# Altium PCB Tigershark 3D R2.2 - RRDC.PcbDoc (part 4 of 4) (continued)
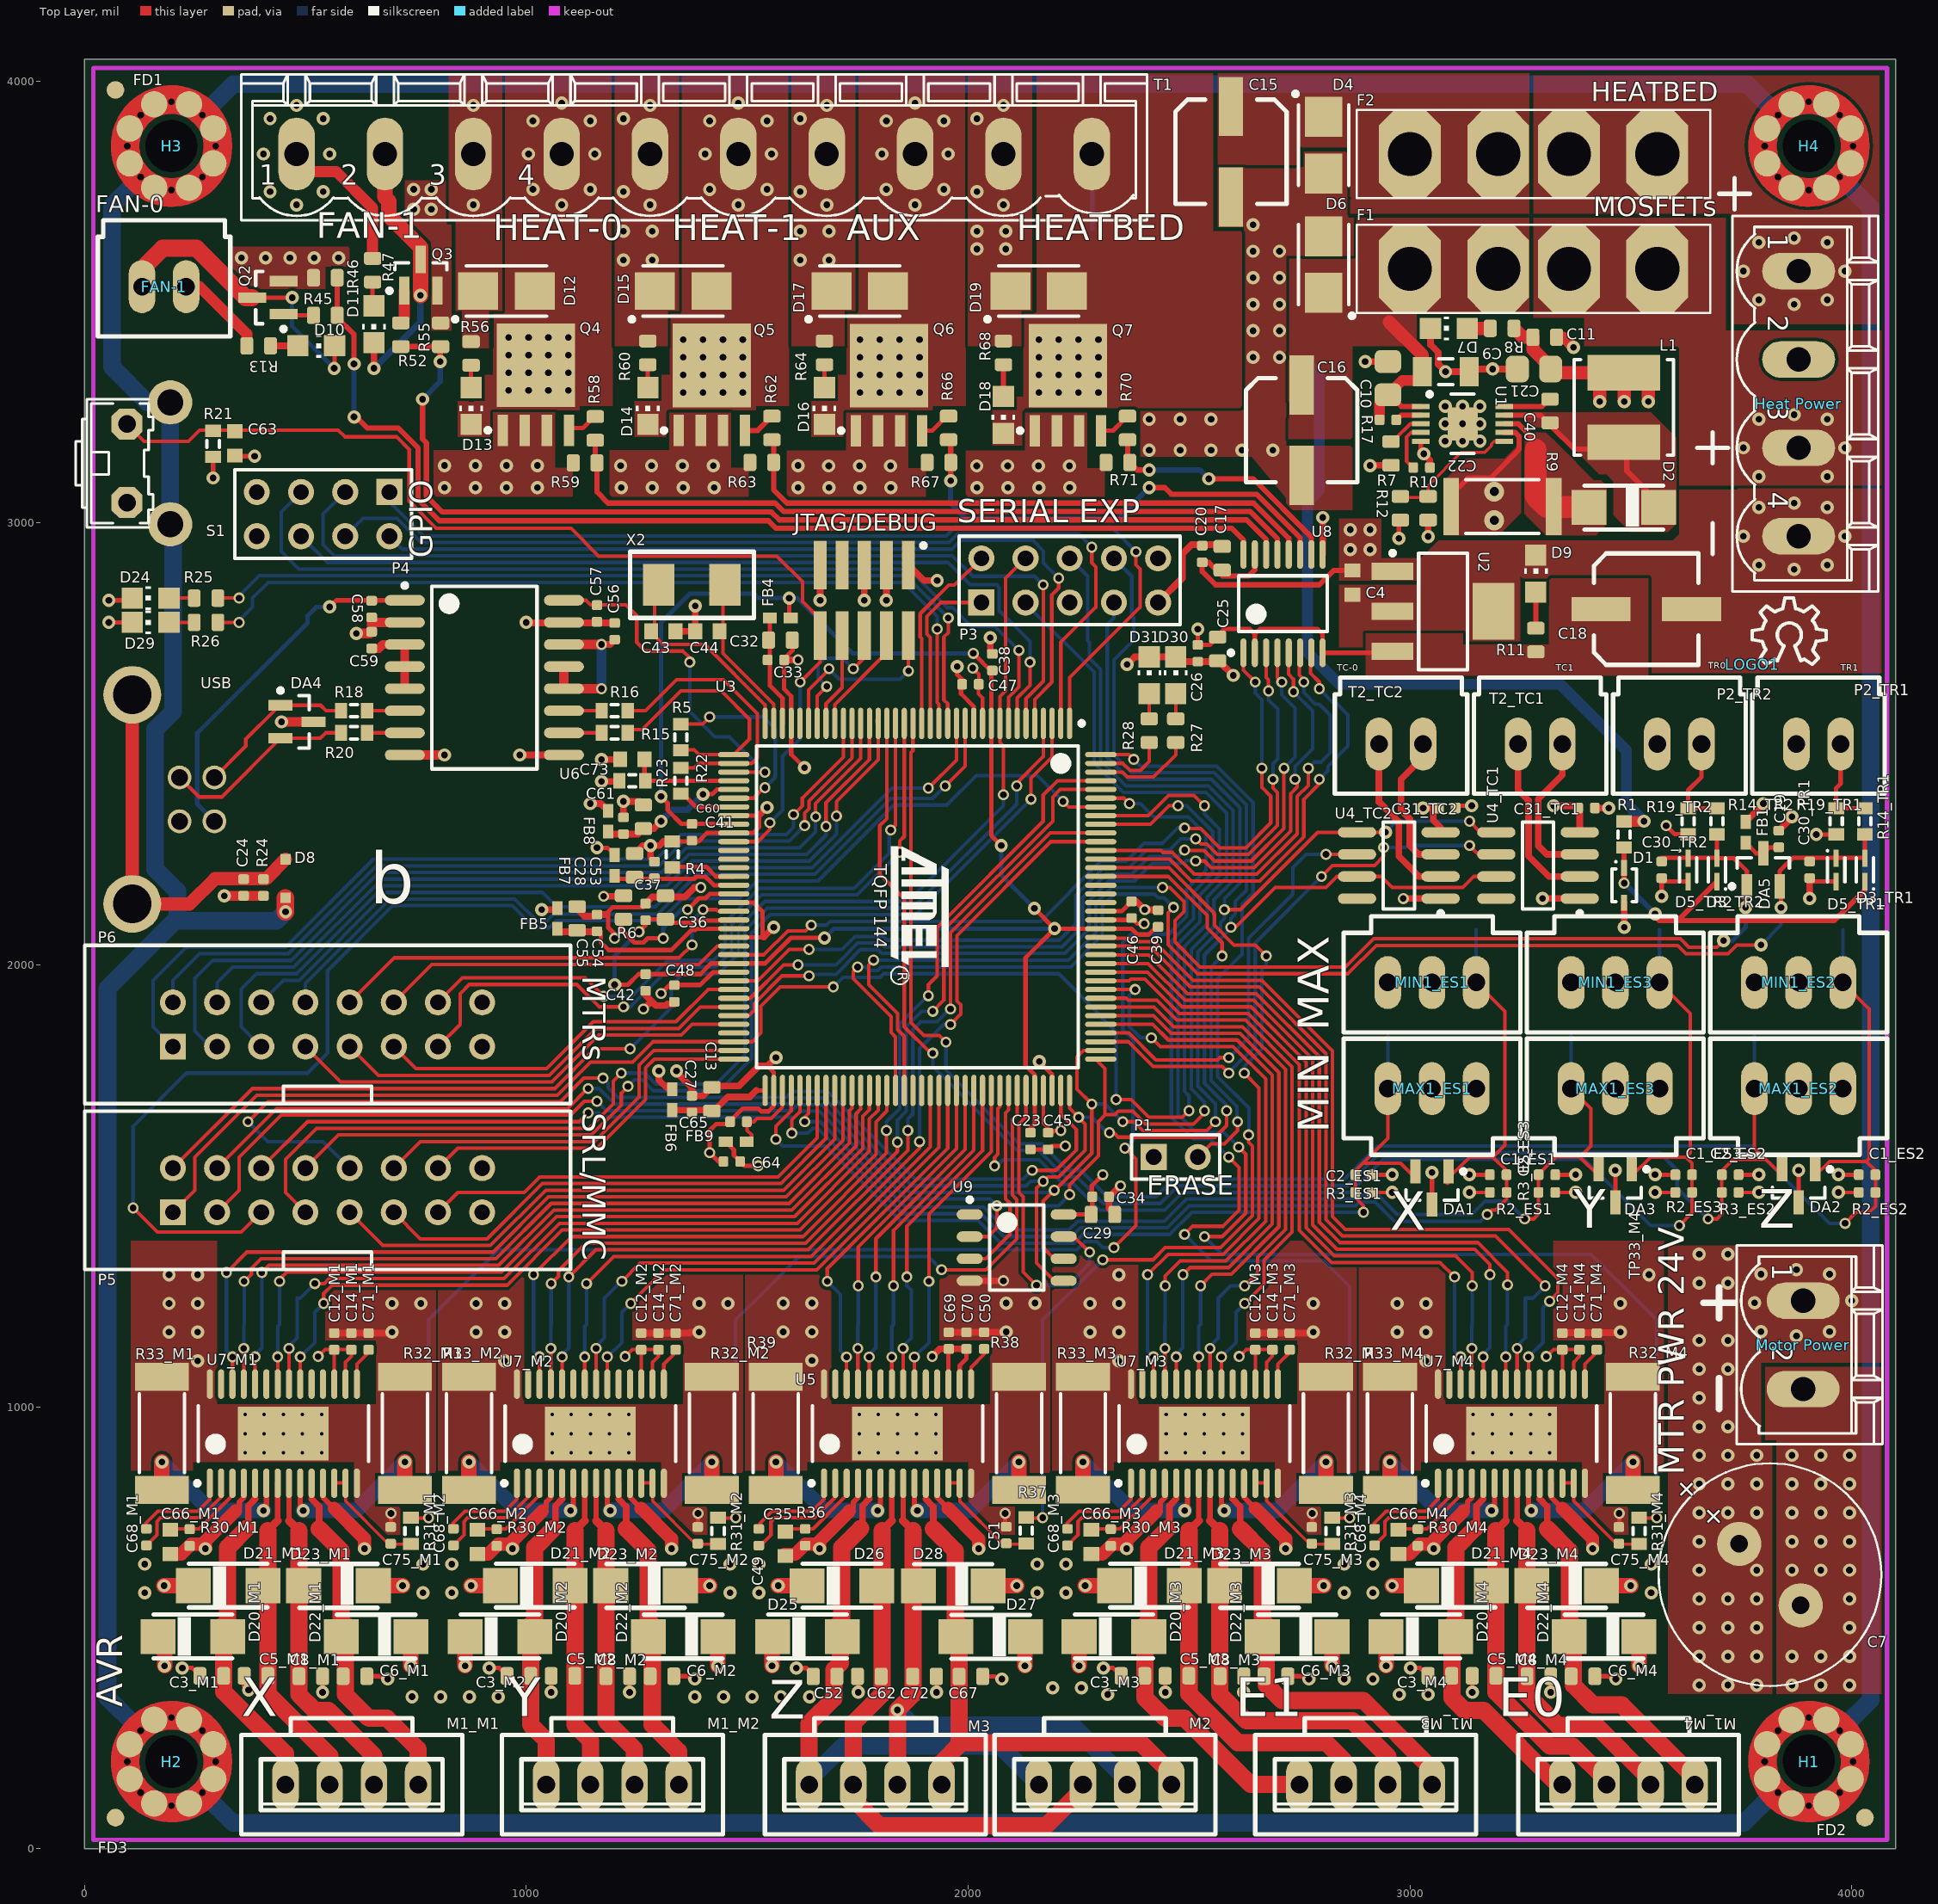
[diagram p0: Top Layer view]
## Nets (pads, with @x,y where several pads share a name; then routed paths per layer and width w, separated by ;. In a path a pad name is that pad's centre, name@x,y a point inside that pad or via, vN(x,y) a via of type N, cw(c..) or ccw(c..) an arc to the next point about the centre after c; other vN are vias at no path point) (continued)
TC_CS1: TP4.1 U3.111 U4_TC1.6 | length 1295.4
  Top Layer w8: U3.111@2300.35,1825.98 2362.8,1825.98 2418.79,1770 2575,1770 v2(2590,1755) ; v2(2800,2200) 2825,2225 2920,2225 2940.79,2245.79 v2(2940.79,2265.5) ; v2(3135,2270) 3155,2250 U4_TC1.6@3195.51,2250
  Bottom Layer w8: v2(2590,1755) 2590,1756.21 2650,1816.21 2650,2050 v2(2800,2200) ; v2(2940.79,2265.5) 2990.5,2265.5 TP4.1@2995,2270 v2(3135,2270)
TC_CS2: TP5.1 U3.112 U4_TC2.6 | length 965.2
  Top Layer w8: U3.112@2300.35,1845.67 2364.33,1845.67 2425,1785 2565,1785 2570,1790 v2(2590,1790) ; v2@2811.77,2255 2816.77,2250 U4_TC2.6@2880.51,2250
  Bottom Layer w8: v2(2590,1790) 2635,1835 2635,2060 2735,2160 2735,2220 TP5.1@2765,2250 v2(2810,2250)
TCK/SWDCLK: JTAG/DEBUG.4 U3.28 | length 247.1
  Top Layer w8: U3.28@1697.99,2546.46 1697.99,2589.12 1815,2706.13 JTAG/DEBUG.4@1815,2745.08
TDI: JTAG/DEBUG.8 U3.29 | length 213.8
  Top Layer w8: U3.29@1678.31,2546.46 1678.31,2590.65 1715,2627.34 JTAG/DEBUG.8@1715,2745.08
TDO/SWO: JTAG/DEBUG.6 U3.30 | length 330.4
  Top Layer w8: U3.30@1658.62,2546.46 1658.62,2608.62 v2(1680,2630) ; v2(1740,2670) 1765,2695 JTAG/DEBUG.6@1765,2745.08
  Bottom Layer w8: v2(1680,2630) 1660,2650 1660,2678.23 1675.27,2693.5 1716.5,2693.5 v2(1740,2670)
THERM_AN1: C30_TR1.2 D3_TR1.1 D5_TR1.2 DA5.2 R14_TR1.1 TP52_TR1.1 U3.88 | length 3100.2
  Top Layer w8: v2(1750,1995) 1740,1985 1740,1968.79 1825.47,1883.31 1825.47,1847.1 1835.79,1836.79 U3.88@1835.79,1715.75 ; v2(2465,2130) 2453,2118 2453,2045.79 2518.79,1980 2860,1980 2924,2044 3606,2044 3625,2025 3720,2025 3740,2045 v1(3795,2045)
  Top Layer w10: v1(3840,2130) 3840,2175 DA5.2@3837.4,2177.6 3837.4,2212.4 3867.56,2242.56 D3_TR1.1@4029.02,2242.56 ; D3_TR1.1@4030,2241.57 R14_TR1.1@4030,2295.47
  Bottom Layer w8: v2(1750,1995) 1768.55,1995 1776.16,1987.39 1795.62,1987.39 1803.23,1995 2232.43,1995 2304.05,2066.63 2304.05,2132.84 2331.21,2160 2421.77,2160 2430.27,2151.5 2443.5,2151.5 v2(2465,2130) ; v1(3795,2045) 3840,2090 v1@3840,2120
THERM_AN2: C30_TR2.2 D3_TR2.1 D5_TR2.2 DA5.1 R14_TR2.1 TP52_TR2.1 U3.89 | length 3000.1
  Top Layer w8: v2(1785.89,2010.89) 1775,2000 1775,1955 1840.47,1889.53 1840.47,1853.31 1855.47,1838.31 U3.89@1855.47,1715.75 ; v2(2440,2175) 2456.91,2175 2488.5,2143.41 2488.5,2120.27 2468,2099.77 2468,2052 2525,1995 2853.79,1995 2917.79,2059 3612.21,2059 3631.21,2040 3695,2040 v1(3710,2055)
  Top Layer w10: C30_TR2.2@3570,2242.56 D3_TR2.1@3694.02,2242.56 ; R14_TR2.1@3695,2295.47 D3_TR2.1@3695,2241.57 3733.43,2241.57 3762.6,2212.4 DA5.1@3762.6,2177.6 3760,2175 v1(3760,2130)
  Bottom Layer w8: v2(1785.89,2010.89) 2227.1,2010.89 2289.05,2072.84 2289.05,2139.05 2325,2175 v2(2440,2175)
  Bottom Layer w10: v1(3710,2055) 3730,2055 3760,2085 v1@3760,2120
THERM_AN3: U3.90
THERM_AN4: U3.91
TMS/SWDIO: JTAG/DEBUG.2 U3.31 | length 394.6
  Top Layer w8: U3.31@1638.94,2546.46 1638.94,2622.17 v2@1685.88,2669.12 ; v2(1865,2665) JTAG/DEBUG.2@1865,2720.08
  Bottom Layer w8: v2(1685,2670) 1708.5,2646.5 1846.5,2646.5 v2(1865,2665)
TXD0: P5.7 U3.4 | length 2551.3
  Top Layer w8: P5.7@500,1440 455,1485 455,1560 525,1630 1141.36,1630 1197,1685.64 1197,1737 v2(1215,1755) ; v2(2110,2405) 2110,2411.21 2170.43,2471.65 U3.4@2170.43,2546.46
  Bottom Layer w8: v2(1215,1755) 1268.23,1755 1293.23,1730 1430,1730 1495,1795 1495,2077.98 1545.52,2128.5 1874.71,2128.5 2110.61,2364.39 2110,2365 v2(2110,2405)
TXD1: P3.1 U3.17 | length 381.9
  Top Layer w8: U3.17@1914.53,2546.46 1914.53,2740.47 1906.5,2748.5 1906.5,2788.52 1937.98,2820 P3.1@2030,2820
UD_N: R18.1 U6.6 | length 85.4
  Top Layer w8: R18.1@639.53,2575 U6.6@724.88,2575
UD_P: R20.1 U6.7 | length 85.4
  Top Layer w8: R20.1@639.53,2525 U6.7@724.88,2525
UI_N: R16.2 U6.11 | length 85.4
  Top Layer w8: U6.11@1085.12,2575 1135,2575 R16.2@1170.47,2575
UI_P: R15.2 U6.10 | length 85.4
  Top Layer w8: U6.10@1085.12,2525 1150,2525 R15.2@1170.47,2525
UMCU_N: R16.1 R22.1 U3.38 | length 631.4
  Top Layer w8: R16.1@1229.53,2575 1269.64,2575 1339.64,2645 1441.56,2645 1446.51,2645 1523,2568.51 1523,2468.91 1510,2455.91 U3.38@1469.65,2455.91 1390.28,2455.91 1380,2445.63 R22.1@1355,2445.63
UMCU_P: R5.1 R15.1 U3.37 | length 555.6
  Top Layer w8: R15.1@1229.53,2525 1237.03,2532.5 1262.5,2532.5 1350,2620 1441.1,2620 1505,2556.1 1505,2510.94 U3.37@1469.65,2475.59 1390.98,2475.59 1380,2486.57 R5.1@1355,2486.57
USB_RX: R25.1 U3.15 | length 1965.3
  Top Layer w8: R25.1@301.77,2830 v2(350,2830) ; U3.15@1953.9,2546.46 1953.9,2591.1 1945,2600 1945,2741.77 1955,2751.77 v2(1955,2785)
  Bottom Layer w8: v2@345,2830 395.72,2880.72 1859.28,2880.72 v2(1955,2785)
USB_TX: R26.1 U3.16 | length 1958.5
  Top Layer w8: R26.1@301.77,2775 v2(350,2775) ; v2(1930,2760) 1930,2593.79 1934.21,2589.57 U3.16@1934.21,2546.46
  Bottom Layer w8: v2@345,2775 380,2810 380,2830 415.72,2865.72 1853.06,2865.72 1930,2788.79 v2(1930,2760)
VBUS: C57.2 U3.39 U6.16 | length 793
  Top Layer w8: U6.16@1085.12,2825 1135,2825 1145,2815 1225,2815 1250,2790 1250,2730 1270,2710 1355,2710 1370,2695 v2(1370,2685) ; U3.39@1469.65,2436.22 v2@1540,2436.22
  Bottom Layer w8: v2(1370,2685) 1370,2572.87 1426.77,2516.1 1460,2516.1 v2(1540,2436.1)
VDDANA: C13.2 C27.2 FB6.2 U3.73 | length 228.3
  Top Layer w10: 1520.75,1715.75 U3.73@1539.79,1715.75
  Top Layer w15: FB6.2@1330,1671.1 1426.1,1671.1 1456.1,1701.1 1506.1,1701.1 1520.75,1715.75
VDDBU: C28.2 C53.2 FB7.2 U3.52 | length 282.5
  Top Layer w10: FB7.2@1200,2201.38 1206.88,2194.5 1379.85,2194.5 1384.85,2199.5 1405.15,2199.5 1410.15,2194.5 1410.5,2194.5 1424.68,2180.32 U3.52@1469.65,2180.32
VDDIN: C54.2 C55.2 FB5.2 U3.57 | length 441.4
  Top Layer w8: C54.2@1167.77,2078.23 C54.2@1170,2076
  Top Layer w10: C54.2@1168.37,2075 1168.37,2051.63 1186.5,2033.5 1328.5,2033.5 1373.5,2078.5 1382.19,2078.5 1385.58,2081.89 U3.57@1469.65,2081.89
  Top Layer w15: FB5.2@1070,2081.38 1076.38,2075 C54.2@1153.37,2075
VDDOUT: C23.2 C36.2 C37.2 C38.2 C39.2 C41.2 C42.2 FB4.1 U3.10 U3.45 U3.56 U3.61 U3.104 U3.124 | length 4308.2
  Top Layer w10: v1(1200,1955) 1230,1955 1254,1979 1394,1979 1418.15,2003.15 U3.61@1469.65,2003.15 1540.78,2003.15 1598.73,2061.1 v1(1675,2061.1) ; v2(1255,2075) C37.2@1270,2090 ; C37.2@1270,2098.54 C37.2@1270,2101 1272.23,2103.23 C36.2@1315,2103.23 1322.73,2095.5 1375.15,2095.5 1379.44,2099.8 1467.87,2099.8 U3.56@1469.65,2101.57 ; v1(1305,2381.1) 1320,2366.1 1320,2350 1351,2319 1468.76,2319 U3.45@1469.65,2318.11 ; v1(1595,2830) 1595,2788.62 FB4.1@1598.62,2785 ; v2(2011.58,2705) 2055,2661.58 2052.32,2658.9 U3.10@2052.32,2546.46 2052.32,2292.68 v1(2075,2270) ; C23.2@2141.1,1620.1 2141.1,1631.1 2150.75,1640.75 U3.104@2150.75,1715.75 2150.75,1750.91 2130,1771.66 2130,2016.1 v1(2195.79,2081.89) ; v1(2150,2127.68) v1(2195.79,2081.89) ; C39.2@2435,2086 2423,2086 2423,2082.85 2408.65,2068.5 2383.46,2068.5 2370.07,2081.89 U3.124@2300.35,2081.89 v1(2195.79,2081.89)
  Bottom Layer w10: v1(1200,1955) 1200,2020 v2(1255,2075) ; v1(1305,2381.1) 1305,2775 1370,2840 1515,2840 1525,2830 v1(1595,2830) 1613.35,2830 1738.35,2705 v2(2011.58,2705) ; v1(1675,2061.1) 1695.79,2081.89 v1(2195.79,2081.89) ; v1(2075,2270) 2075,2202.68 v1(2150,2127.68)
VDDPLL: C32.2 C33.2 FB4.2 U3.34 | length 258.5
  Top Layer w10: FB4.2@1546.38,2791.1 1551.38,2786.1 1551.38,2632.14 1579.88,2603.63 U3.34@1579.88,2546.46
VDDUTMI: C60.2 C61.2 FB8.2 U3.41 | length 328.6
  Top Layer w10: v1(1400,2386.1) 1421.1,2386.1 1431.85,2396.85 U3.41@1469.65,2396.85
  Top Layer w15: FB8.2@1185,2301.38 1190.38,2296 C61.2@1220,2296 1252.77,2296 C60.2@1265,2308.23 1288.23,2308.23 v1(1305,2325)
  Bottom Layer w15: v1(1305,2325) 1331.1,2351.1 1365,2351.1 v1(1400,2386.1)
WP#: U3.101 U9.3 | length 446.7
  Top Layer w8: U9.3@2003.7,1335 2040,1335 2095,1390 2095,1460 2085,1470 2085,1665 2091.69,1671.69 U3.101@2091.69,1715.75
XIN32: U3.48
XOUT32: U3.49
pads on no net: FD1.1 FD2.1 FD3.1 H1.0 H2.0 H3.0 H4.0 JTAG/DEBUG.7 U3.32 U3.127 U3.128 U3.129 U4_TC1.8 U4_TC2.8 U5.18 U5.19 U5.23 U5.27 U7_M1.18 U7_M1.19 U7_M1.23 U7_M1.27 U7_M2.18 U7_M2.19 U7_M2.23 U7_M2.27 U7_M3.18 U7_M3.19 U7_M3.23 U7_M3.27 U7_M4.18 U7_M4.19 U7_M4.23 U7_M4.27

## Polygon pours and split planes (outlines as drawn)
GND on Top Layer "Mechanical 15-No Net" (solid, remove dead copper, pour order 56): 2885,1375 2885,855 3025,855 3025,875 3185,875 3390,875 3390,785 3405,770 3465,710 3495,710 3495,775 3440,775 3440,850 3575,850 3575,1375 3325,1375 3325,1150 3440,1150 3440,1005 3265,1005 3080,1005 3080,1040 3080,1375
GND on Top Layer "Mechanical 15-No Net" (solid, remove dead copper, pour order 57): 2190,1375 2190,855 2330,855 2330,875 2490,875 2695,875 2695,785 2710,770 2770,710 2800,710 2800,775 2745,775 2745,850 2880,850 2880,1375 2630,1375 2630,1150 2745,1150 2745,1005 2570,1005 2385,1005 2385,1040 2385,1375
GND on Top Layer "Mechanical 15-No Net" (solid, remove dead copper, pour order 58): 1495.26,1375 1495.26,855 1635.26,855 1635.26,875 1795.26,875 2000.26,875 2000.26,785 2015.26,770 2075.26,710 2105.26,710 2105.26,775 2050.26,775 2050.26,850 2185.26,850 2185.26,1375 1935.26,1375 1935.26,1150 2050.26,1150 2050.26,1005 1875.26,1005 1690.26,1005 1690.26,1040 1690.26,1375
GND on Top Layer "Mechanical 15-No Net" (solid, remove dead copper, pour order 59): 800,1375 800,855 940,855 940,875 1100,875 1305,875 1305,785 1320,770 1380,710 1410,710 1410,775 1355,775 1355,850 1490,850 1490,1375 1240,1375 1240,1150 1355,1150 1355,1005 1180,1005 995,1005 995,1040 995,1375
GND on Top Layer "Mechanical 15-No Net" (solid, remove dead copper, pour order 60): 105,1375 105,855 245,855 245,875 405,875 610,875 610,785 625,770 685,710 715,710 715,775 660,775 660,850 795,850 795,1375 545,1375 545,1150 660,1150 660,1005 485,1005 300,1005 300,1040 300,1375
GND on Top Layer "Top Layer-No Net" (solid, remove dead copper, pour order 62): 3805,1090 3805,925 3830,925 3830,905 3830,810 3830,350 4080,350 4080,1090
+12VCC1 on Top Layer "Top Layer-No Net" (solid, remove dead copper, pour order 54): 4080,1365 3585,1365 3585,350 3810,350 3815,350 3820,350 3820,915 3795,915 3795,1100 4080,1100
NetD18_C on Top Layer "Mechanical 15-No Net" (solid, remove dead copper, pour order 65): 2055,3175 2125,3175 2125,3255 2130,3260 2235,3260 2620,3260 2620,3585 2620,3660 2555,3660 2555,4025 2180,4025 2155,4025 2155,3475 2125,3475 2125,3395 2125,3285 2110,3285 2110,3255 2055,3255
GND on Top Layer "Mechanical 15-No Net" (solid, remove dead copper, pour order 67): 1994.5,3164.19 1994.5,3064.19 1999.5,3059.19 2309.5,3059.19 2309.5,3124.19 2269.5,3124.19 2269.5,3249.19 2129.5,3249.19 2129.5,3164.19
GND on Top Layer "Mechanical 15-No Net" (solid, remove dead copper, pour order 68): 1589.5,3164.19 1589.5,3064.19 1594.5,3059.19 1904.5,3059.19 1904.5,3124.19 1864.5,3124.19 1864.5,3249.19 1724.5,3249.19 1724.5,3164.19
GND on Top Layer "Mechanical 15-No Net" (solid, remove dead copper, pour order 69): 1188.5,3164.61 1188.5,3064.61 1193.5,3059.61 1503.5,3059.61 1503.5,3124.61 1463.5,3124.61 1463.5,3249.61 1323.5,3249.61 1323.5,3164.61
GND on Top Layer "Mechanical 15-No Net" (solid, remove dead copper, pour order 70): 790,3165 790,3065 795,3060 1105,3060 1105,3125 1065,3125 1065,3250 925,3250 925,3165
GND on Top Layer "SMPS" (solid, pour order 66): 3242,3173 3214,3145 3126,3145 3076,3095 3076,2972 3201,2972 3250,3021 3252,3023 3252,3156 3252,3173
NetC40_2 on Top Layer "SMPS" (solid, pour order 55): 3256,3239 3278.77,3216.23 3323,3216.23 3429.23,3110 3445,3110 3461,3094 3461,3018 3499,2980 3585,2980 3603,2998 3603,3080 3603,3193 3557,3239 3546,3250 3274,3250 3259,3250 3256,3247
NetD2_A on Top Layer "SMPS" (solid, pour order 53): 3259,3206 3259,3070 3259,3021 3308,2972 3421,2972 3445,2996 3445,3085 3433,3097 3416,3097 3335,3178 3308,3205 3262,3205
NetF2_1 on Top Layer "Mechanical 15-No Net" (solid, remove dead copper, pour order 72): 4075,3450 3730,3450 3730,3695 3725,3700 3350,3700 3280,3700 3280,4025 4075,4025
+12VCC3 on Top Layer "Mechanical 15-No Net" (solid, remove dead copper, pour order 75): 3270,3700 3270,4025 2630,4025 2565,4025 2565,4020 2565,3915 2565,3810 2630,3810 2750,3810 2750,3855 2755,3850 2865,3850 2865,3735 2930,3735 2865,3735 2865,3700 2965,3700
3.3VCC on Top Layer "Mechanical 15-No Net" (solid, remove dead copper, pour order 77): 2900,2750 2900,2655 3540,2655 3540,2875 3320,2875 3315,2870 3315,2735 3315,2725 3120,2725 3120,2750
+5VCC on Top Layer "Mechanical 15-No Net" (solid, remove dead copper, pour order 78): 2840,3010 2840,2870 3015,2870 3015,2920 2935,2920 2935,3010
+12VCC2 on Top Layer "Mechanical 15-No Net" (solid, remove dead copper, pour order 63): 1600,4025 1600,3400 1720,3400 1720,3480 1745,3480 1745,4025
+12VCC2 on Top Layer "Mechanical 15-No Net" (solid, remove dead copper, pour order 61): 1200,4025 1200,3400 1320,3400 1320,3480 1345,3480 1345,4025
NetD16_C on Top Layer "Mechanical 15-No Net" (solid, remove dead copper, pour order 81): 1645,3280 1645,3195 1720,3195 1720,3255 1780,3255 1920,3255 1920,3265 1995,3265 1995,4030 1750,4030 1750,3475 1725,3475 1725,3395 1725,3335 1705,3335 1705,3280
NetD14_C on Top Layer "Mechanical 15-No Net" (solid, remove dead copper, pour order 80): 1245,3280 1245,3195 1320,3195 1320,3255 1380,3255 1520,3255 1520,3265 1595,3265 1595,4030 1350,4030 1350,3475 1325,3475 1325,3395 1325,3335 1305,3335 1305,3280
NetD12_1 on Top Layer "Mechanical 15-No Net" (solid, remove dead copper, pour order 79): 845,3280 845,3195 920,3195 920,3255 980,3255 1120,3255 1120,3265 1195,3265 1195,4030 950,4030 950,3475 925,3475 925,3395 925,3335 905,3335 905,3280
GND on Top Layer "Mechanical 15-No Net" (solid, remove dead copper, pour order 82): 2740,3605 2875,3605 2875,3685 2880,3690 2860,3690 2860,3845 2855,3840 2760,3840 2760,3810 2760,3805 2625,3805 2565,3805 2565,3670 2625,3670 2625,3255 2390,3255 2390,3150 2642.41,3150 2718.89,3057.63 2720,3055 2720,3029.52 2865,3029.52 2870,3029.52 2870,3055 2870,3175 2867.85,3174.88 2720,3174.52 2720,3380 2720,3605
GND on Top Layer "Mechanical 15-No Net" (solid, remove dead copper, pour order 83): 2840,2860 2840,2655 2845,2650 2895,2650 2895,2755 2980,2755 3125,2755 3125,2730 3250,2730 3250,2875 3250,2880 3255,2875 3320,2875 3325,2880 3330,2880 3545,2880 3545,2660 4080,2660 4080,3080 3745,3080 3740,3075 3610,3075 3610,2975 3595,2960 3270,2960 3065,2960 3030,2925 3025,2920 3025,2860
+12VCC2 on Top Layer "Mechanical 15-No Net" (solid, remove dead copper, pour order 84): 825,4030 825,3685 840,3685 840,3480 855,3480 855,3395 915,3395 915,3480 945,3480 945,3760 945,4030
GND on Top Layer "Mechanical 15-No Net" (solid, remove dead copper, pour order 85): 790,3435 830,3435 830,3675 820,3675 820,3775 725,3775 725,3695 785,3635 785,3630 785,3435
GND on Top Layer "Mechanical 15-No Net" (solid, remove dead copper, pour order 86): 545,3530 545,3580 600,3580 600,3625 332.07,3625 330,3625 330,3620 330,3575 370,3535 375,3530 490,3530
+12VCC3 on Top Layer "Mechanical 15-No Net" (solid, remove dead copper, pour order 64): 2000,4025 2000,3400 2120,3400 2120,3480 2145,3480 2145,4025
+12VCC2 on Top Layer "Mechanical 15-No Net" (solid, remove dead copper, pour order 95): 3270,3475 3270,3690 2880,3690 2880,3635 2880,3600 2805,3600 2725,3600 2725,3575 2725,3300.42 2725,3190 2870,3190 2870,3295 2870,3400 3015,3400 3015,3475
NetF1_1 on Top Layer "Mechanical 15-No Net" (solid, remove dead copper, pour order 98): 4080,3085 4080,3435 3715,3435 3715,3690 3280,3690 3280,3625 3280,3465 3395,3465 3395,3400 3605,3400 3610,3395 3610,3085
GND on Bottom Layer "Mechanical 15-No Net" (solid, remove dead copper, pour order 47): 2886.31,1375 3025,1375 3575,1375 3575,1225 3575,700 3540,700 2885,700 2885,1360 2885,1375
GND on Bottom Layer "Mechanical 15-No Net" (solid, remove dead copper, pour order 48): 2191.31,1375 2330,1375 2880,1375 2880,1225 2880,700 2845,700 2190,700 2190,1360 2190,1375
GND on Bottom Layer "Mechanical 15-No Net" (solid, remove dead copper, pour order 49): 1496.57,1375 1635.26,1375 2185.26,1375 2185.26,1225 2185.26,700 2150.26,700 1495.26,700 1495.26,1360 1495.26,1375
GND on Bottom Layer "Mechanical 15-No Net" (solid, remove dead copper, pour order 50): 801.31,1375 940,1375 1490,1375 1490,1225 1490,700 1455,700 800,700 800,1360 800,1375
GND on Bottom Layer "Mechanical 15-No Net" (solid, remove dead copper, pour order 51): 106.31,1375 245,1375 795,1375 795,1225 795,700 760,700 105,700 105,1360 105,1375
+12VCC1 on Bottom Layer "Mechanical 15-No Net" (solid, remove dead copper, pour order 52): 4080,1360 3585,1360 3585,690 3560,690 20,690 20,325 195,325 200,330 375,330 4080,330
+12VCC3 on Bottom Layer "Mechanical 15-No Net" (solid, remove dead copper, pour order 76): 3270,3700 3270,3955 2000,3955 2000,3700 2000,3600 2390,3600 2390,3700
NetF2_1 on Bottom Layer "Mechanical 15-No Net" (solid, remove dead copper, pour order 71): 4075,3450 3730,3450 3730,3695 3725,3700 3350,3700 3280,3700 3280,4025 4075,4025
NetD16_C on Bottom Layer "Mechanical 15-No Net" (solid, remove dead copper, pour order 90): 1725,3335 1725,3475 1750,3475 1750,3525 1750,4030 1825,4030 1995,4030 1995,3950 1990,3945 1995,3940 1995,3265 1725,3265
NetD14_C on Bottom Layer "Mechanical 15-No Net" (solid, remove dead copper, pour order 89): 1325,3335 1325,3475 1350,3475 1350,3525 1350,4030 1425,4030 1595,4030 1595,3950 1590,3945 1595,3940 1595,3265 1325,3265
NetD12_1 on Bottom Layer "Mechanical 15-No Net" (solid, remove dead copper, pour order 88): 925,3335 925,3475 950,3475 950,3525 950,4030 1025,4030 1195,4030 1195,3950 1190,3945 1195,3940 1195,3265 925,3265
+12VCC2 on Bottom Layer "Mechanical 15-No Net" (solid, remove dead copper, pour order 91): 355,4015 355,3685 20,3685 20,3395 770,3395 780,3385 780,3030 2870,3030 2870,3470 2870,3480 2970,3480 3270,3480 3275,3485 3275,3690 2405,3690 2405,3590 2005,3590 2005,3255 1970,3255 1715,3255 1715,3485 1745,3485 1745,4025 1740,4030 1600,4030 1600,3255 1315,3255 1315,3480 1345,3480 1345,4030 1200,4030 1200,3255 920,3255 920,3480 945,3480 945,4030 355,4030
GND on Bottom Layer "Mechanical 15-No Net" (solid, remove dead copper, pour order 92): 4100,2665 4100,3080 3950,3080 3605,3080 3600,3085 3600,3390 3590,3400 3550,3400 3385,3400 3385,3450 3385,3460 3270,3460 3270,3480 3170,3480 2880,3480 2880,3035 2880,3030 2880,3025 2875,3025 2860,3025 2845,3025 2825,3025 2825,2850 2825,2665 2845,2665
NetF1_1 on Bottom Layer "Mechanical 15-No Net" (solid, remove dead copper, pour order 87): 3280,3480 3280,3495 3280,3680 3290,3690 3310,3690 3715,3690 3715,3675 3715,3435 3785,3435 3785,3300 3785,3435 4080,3435 4080,3300 4080,3085 3940,3085 3610,3085 3610,3395 3605,3400 3395,3400 3395,3465 3360,3465 3280,3465
INPUT_GND on Groun Plane (split plane): 899.9,2450.1 545,2450.1 543.05,2449.71 541.4,2448.6 511.4,2418.6 510.29,2416.95 509.9,2415 509.9,2142.11 437.89,2070.1 220,2070.1 218.05,2069.71 216.4,2068.6 202.89,2055.1 20.1,2055.1 20.1,2699.9 385,2699.9 386.95,2700.29 388.6,2701.4 408.6,2721.4 409.71,2723.05 410.1,2725 410.1,2817.89 437.11,2844.9 899.9,2844.9
GND on Groun Plane (split plane): 4079.9,20.1 20.1,20.1 20.1,2044.9 205,2044.9 206.95,2045.29 208.6,2046.4 222.11,2059.9 440,2059.9 441.95,2060.29 443.6,2061.4 518.6,2136.4 519.71,2138.05 520.1,2140 520.1,2412.89 547.11,2439.9 905,2439.9 906.95,2440.29 908.6,2441.4 909.71,2443.05 910.1,2445 910.1,2850 909.71,2851.95 908.6,2853.6 906.95,2854.71 905,2855.1 435,2855.1 433.05,2854.71 431.4,2853.6 401.4,2823.6 400.29,2821.95 399.9,2820 399.9,2727.11 382.89,2710.1 20.1,2710.1 20.1,4029.9 4079.9,4029.9
NetF2_1 on Power Plane (split plane): 4079.9,3440.1 3720.1,3440.1 3720.1,3695 3719.71,3696.95 3718.6,3698.6 3716.95,3699.71 3715,3700.1 3280.1,3700.1 3280.1,4029.9 4079.9,4029.9
+12VCC3 on Power Plane (split plane): 3269.9,3700.1 2010.1,3700.1 2010.1,4029.9 3269.9,4029.9
NetF1_1 on Power Plane (split plane): 3709.9,3435 3710.29,3433.05 3711.4,3431.4 3713.05,3430.29 3715,3429.9 4079.9,3429.9 4079.9,2875.1 3580.1,2875.1 3580.1,3305 3579.71,3306.95 3578.6,3308.6 3576.95,3309.71 3575,3310.1 3280.1,3310.1 3280.1,3455 3280.1,3689.9 3709.9,3689.9
+5VCC on Power Plane (split plane): 3569.9,2875.1 2837.11,2875.1 2835.1,2877.11 2835.1,3097.89 3037.11,3299.9 3569.9,3299.9
3.3VCC on Power Plane (split plane): 774.9,3025 775.29,3023.05 776.4,3021.4 778.05,3020.29 780,3019.9 2824.9,3019.9 2824.9,2875 2825.29,2873.05 2826.4,2871.4 2831.4,2866.4 2833.05,2865.29 2835,2864.9 4079.9,2864.9 4079.9,1380.1 3510,1380.1 3508.05,1379.71 3506.4,1378.6 3505.29,1376.95 3504.9,1375 3504.9,945.1 20.1,945.1 20.1,3394.9 774.9,3394.9
+12VCC2 on Power Plane (split plane): 1999.9,3695 2000.29,3693.05 2001.4,3691.4 2003.05,3690.29 2005,3689.9 3269.9,3689.9 3269.9,3455 3269.9,3310.1 3035,3310.1 3033.05,3309.71 3031.4,3308.6 2826.4,3103.6 2825.29,3101.95 2824.9,3100 2824.9,3030.1 785.1,3030.1 785.1,3400 784.71,3401.95 783.6,3403.6 781.95,3404.71 780,3405.1 20.1,3405.1 20.1,4029.9 1999.9,4029.9
+12VCC1 on Power Plane (split plane): 4079.9,20.1 20.1,20.1 20.1,934.9 3510,934.9 3511.95,935.29 3513.6,936.4 3514.71,938.05 3515.1,940 3515.1,1369.9 4079.9,1369.9

## Keep-outs
Keep-Out Layer:
  lines w10: 20,20 4080,20 4080,4030 20,4030 20,20

## Other copper
Groun Plane (plane layer: these items are gaps in the copper):
  lines w10: 0,2050 205,2050 220,2065 303.75,2065 440,2065 515,2140 515,2415 545,2445 715,2445 905,2445 905,2850 545,2850 435,2850 405,2820 405,2725 385,2705 0,2705
Power Plane (plane layer: these items are gaps in the copper):
  lines w10: 0,0 1.05,940 3510,940 3510,1375 4095,1375 4095,1290 ; 0,3400 770,3400 780,3400 780,3025 2680,3025 2830,3025 ; 2005,4055 2005,3695 2875,3695 3220,3695 3715,3695 3715,3435 4100,3435 ; 2965,2870 2835,2870 ; 3275,3305 3275,3455 3275,3695 3275,4050 ; 3575,2870 3575,3305 3035,3305 2830,3100 2830,2875 2835,2870 ; 4100,2870 3310,2870 2835,2870

## Silkscreen, mask and mechanical layers (free items; w line width, h text height)
Top Overlay:
  lines w10: 3650,3170 3680,3170 3720,3170 ; 3685,2930 3685,3000 ; 3685,3135 3685,3205 ; 3700,3745 3730,3745 3770,3745 ; 3735,3710 3735,3780
  lines w15: 3665,1235 3695,1235 3735,1235 ; 3700,995 3700,1065 ; 3700,1200 3700,1270
  text "HEATBED" at 3410,3940 h75
  text "FAN-0" at 25,3690 h65
  text "MOSFETs" at 3415,3680 h75
  text "FAN-1" at 525,3625 h100
  text "HEAT-0" at 925,3620 h100
  text "HEAT-1" at 1330,3620 h100
  text "AUX" at 1725,3620 h100
  text "HEATBED" at 2110,3620 h100
  text "SERIAL EXP" at 1975,2984 h90
  text "GPIO" at 805,2920 h90 r90
  text "TR0" at 3675,2665 h25
  text "TC-0" at 2835,2660 h25
  text "TC1" at 3330,2660 h25
  text "TR1" at 3975,2660 h25
  text "b" at 645,2100 h200
  text "MTRs" at 1110,1975 h90 r270
  text "MAX" at 2840,1850 h120 r90
  text "SRL/MMC" at 1110,1665 h90 r270
  text "MIN" at 2840,1620 h120 r90
  text "ERASE" at 2405,1465 h75
  text "Y" at 3370,1375 h150
  text "Z" at 3790,1375 h150
  text "X" at 2955,1370 h150
  text "MTR PWR 24V" at 3640,845 h100 r90
  text "AVR" at 105,320 h100 r90
  text "X" at 355,270 h150
  text "Y" at 960,270 h150
  text "E1" at 2605,270 h150
  text "E0" at 3200,270 h150
  text "Z" at 1550,265 h150
Bottom Overlay:
  drawing of 5 lines, arcs and shapes, not listed
  text "G" at 11640.52,4072.26 h310
  text "SPI MOSI" at 2260,3310 h90 r90
  text "SPI MISO" at 2360,3295 h90 r90
  text "I2C SDA" at 2155,3265 h90 r90
  text "3V3 DC" at 2455,3215 h90 r90
  text "RX" at 2055,3090 h90 r90
  text "GND" at 2455,2775 h90 r90
  text "TX" at 2055,2765 h90 r90
  text "I2C SCL" at 2155,2765 h90 r90
  text "SPI SCLK" at 2355,2765 h90 r90
  text "SPI CS EXP1" at 2260,2760 h90 r90
  text "GND" at 2970,2075 h90 r180
  text "GND" at 3390,2075 h90 r180
  text "Z-MIN" at 4070,2070 h90 r90
  text "Y-MIN" at 3655,2060 h90 r90
  text "X-MIN" at 3240,2055 h90 r90
  text "3V3" at 3325,2030 h90 r90
  text "3V3" at 2910,2025 h90 r90
  text "3V3" at 3735,2025 h90 r90
  text "GND" at 3895,2000 h90 r270
  text "Y-MAX" at 3325,1835 h90 r90
  text "X-MAX" at 2915,1830 h90 r90
  text "Z-MAX" at 3740,1830 h90 r90
  text "3V3" at 3240,1780 h90 r90
  text "3V3" at 4070,1780 h90 r90
  text "3V3" at 3665,1775 h90 r90
  text "GND" at 3395,1655 h90 r180
  text "GND" at 2980,1650 h90 r180
  text "GND" at 3810,1650 h90 r180
  text "Tigershark 3D" at 3605,1225 h250
  text "Based On the Work of Ultimachine," at 3625,1100 h135
  text "Arduino, RepRap, and Synthetos.com" at 3625,1010 h135
  text "Developed by Adam Vadala-Roth in" at 3625,920 h135
  text "collaboration with Johnny Russell," at 3625,830 h135
  text "b" at 1675,755 h245
  text "Alden S. Hart, and Rob Giseburt" at 3625,745 h135
  text "TinyG2 Powered" at 1480,565 h120
  text "#YOLO-SWAG" at 2630,545 h200
  text "AVR" at 2945,485 h200
  text "Made by Ultimachine in Tennessee USA" at 2625,445 h150
  text "S" at 3355,425 h2000
  text "S" at 3665,420 h175
  text "X-A1" at 430,210 h90 r270
  text "X-A2" at 530,210 h90 r270
  text "Y-A1" at 1020,210 h90 r270
  text "Y-A2" at 1120,210 h90 r270
  text "Z-A1" at 1615,210 h90 r270
  text "Z-A2" at 1715,210 h90 r270
  text "Z-A1" at 2135,210 h90 r270
  text "Z-A2" at 2235,210 h90 r270
  text "E0-A1" at 2725,210 h90 r270
  text "E0-A2" at 2825,210 h90 r270
  text "E1-A1" at 3320,210 h90 r270
  text "E1-A2" at 3420,210 h90 r270
  text "X-B1" at 630,205 h90 r270
  text "X-B2" at 730,205 h90 r270
  text "Y-B1" at 1220,205 h90 r270
  text "Y-B2" at 1320,205 h90 r270
  text "Z-B1" at 1815,205 h90 r270
  text "Z-B2" at 1915,205 h90 r270
  text "Z-B1" at 2335,205 h90 r270
  text "Z-B2" at 2435,205 h90 r270
  text "E0-B1" at 2925,205 h90 r270
  text "E0-B2" at 3025,205 h90 r270
  text "E1-B1" at 3520,205 h90 r270
  text "E1-B2" at 3620,205 h90 r270
  text "Released as Open Source Hardware Under the CERN Open Hardware Liscense" at 4025,35 h125
Mechanical 15:
  the board outline again, w10

## Dimensions
0,4050 to 4100,4050 on Mechanical 1
0,4050 to 0,0 on Mechanical 1

## Text inside footprints (layer, text, board x,y; h text height)
C7: Top Overlay "+" at 3645.18,745.27 h77.5 r315; Top Overlay "+" at 3583.94,806.52 h77.5 r315
FAN-1: Mechanical 16 "1" at 292.5,3597.5 h62 r180
"Heat Power": Top Overlay "4" at 3795,3070 h77.5 r270; Top Overlay "3" at 3795,3270 h77.5 r270; Top Overlay "2" at 3795,3470 h77.5 r270; Top Overlay "1" at 3795,3655 h77.5 r270
MAX1_ES1: Mechanical 16 "1" at 2887.5,1657.5 h62
MAX1_ES2: Mechanical 16 "1" at 3717.5,1657.5 h62
MAX1_ES3: Mechanical 16 "1" at 3302.5,1657.5 h62
MIN1_ES1: Mechanical 16 "1" at 3212.5,2022.5 h62 r180
MIN1_ES2: Mechanical 16 "1" at 4042.5,2022.5 h62 r180
MIN1_ES3: Mechanical 16 "1" at 3627.5,2022.5 h62 r180
"Motor Power": Top Overlay "2" at 3805,1140 h77.5 r270; Top Overlay "1" at 3805,1325 h77.5 r270
P2_TR1: Mechanical 16 "1" at 4037.5,2562.5 h62 r180
P2_TR2: Mechanical 16 "1" at 3722.5,2562.5 h62 r180
T1: Top Overlay "1" at 395,3750 h77.5; Top Overlay "2" at 580,3750 h77.5; Top Overlay "3" at 780,3750 h77.5; Top Overlay "4" at 980,3750 h77.5
T2_TC1: Mechanical 16 "1" at 3407.5,2562.5 h62 r180
T2_TC2: Mechanical 16 "1" at 3092.5,2562.5 h62 r180
U3: Top Overlay "TQFP 144" at 1778.05,2228.46 h49.6 r270; Top Overlay "R" at 1833.56,1983.83 h37.2 r270